# Altium PCB D车.PcbDoc
Units mil, origin at the board's own origin, x right, y up, seen from the top; angles counter-clockwise.
Board outline 3937 x 2188.53 mil, 4 copper layers (Top Layer, 02 GND, 03 VCC, Bottom Layer), stack 23.756 mil thick; 72 components, 83 nets, 412 pads, 128 vias.
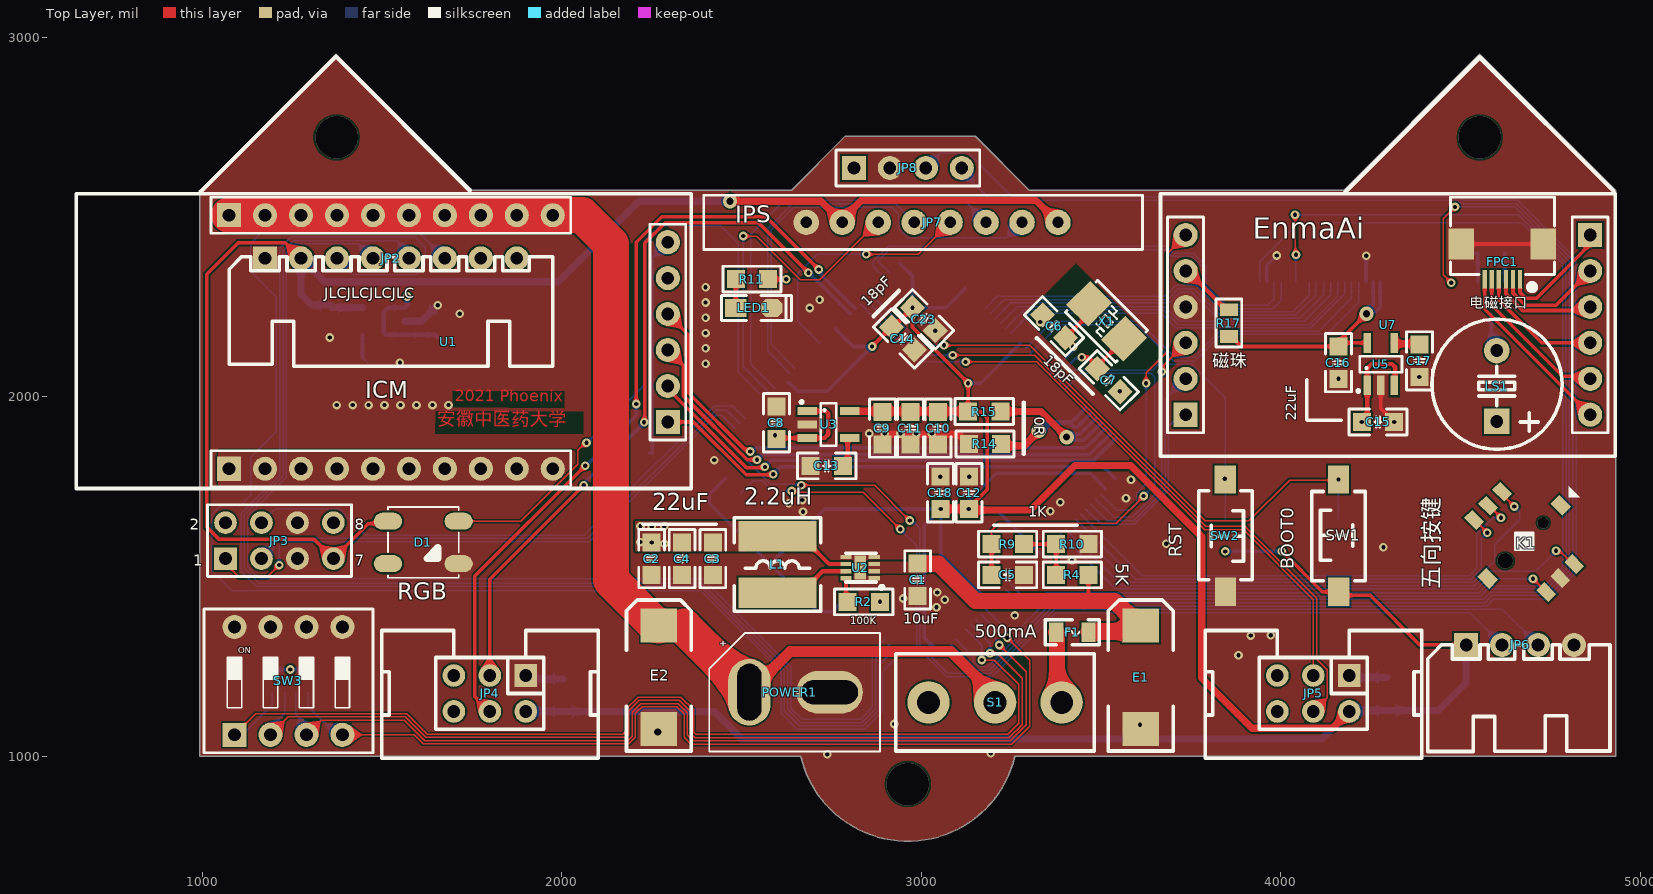
[diagram p0: Top Layer view]
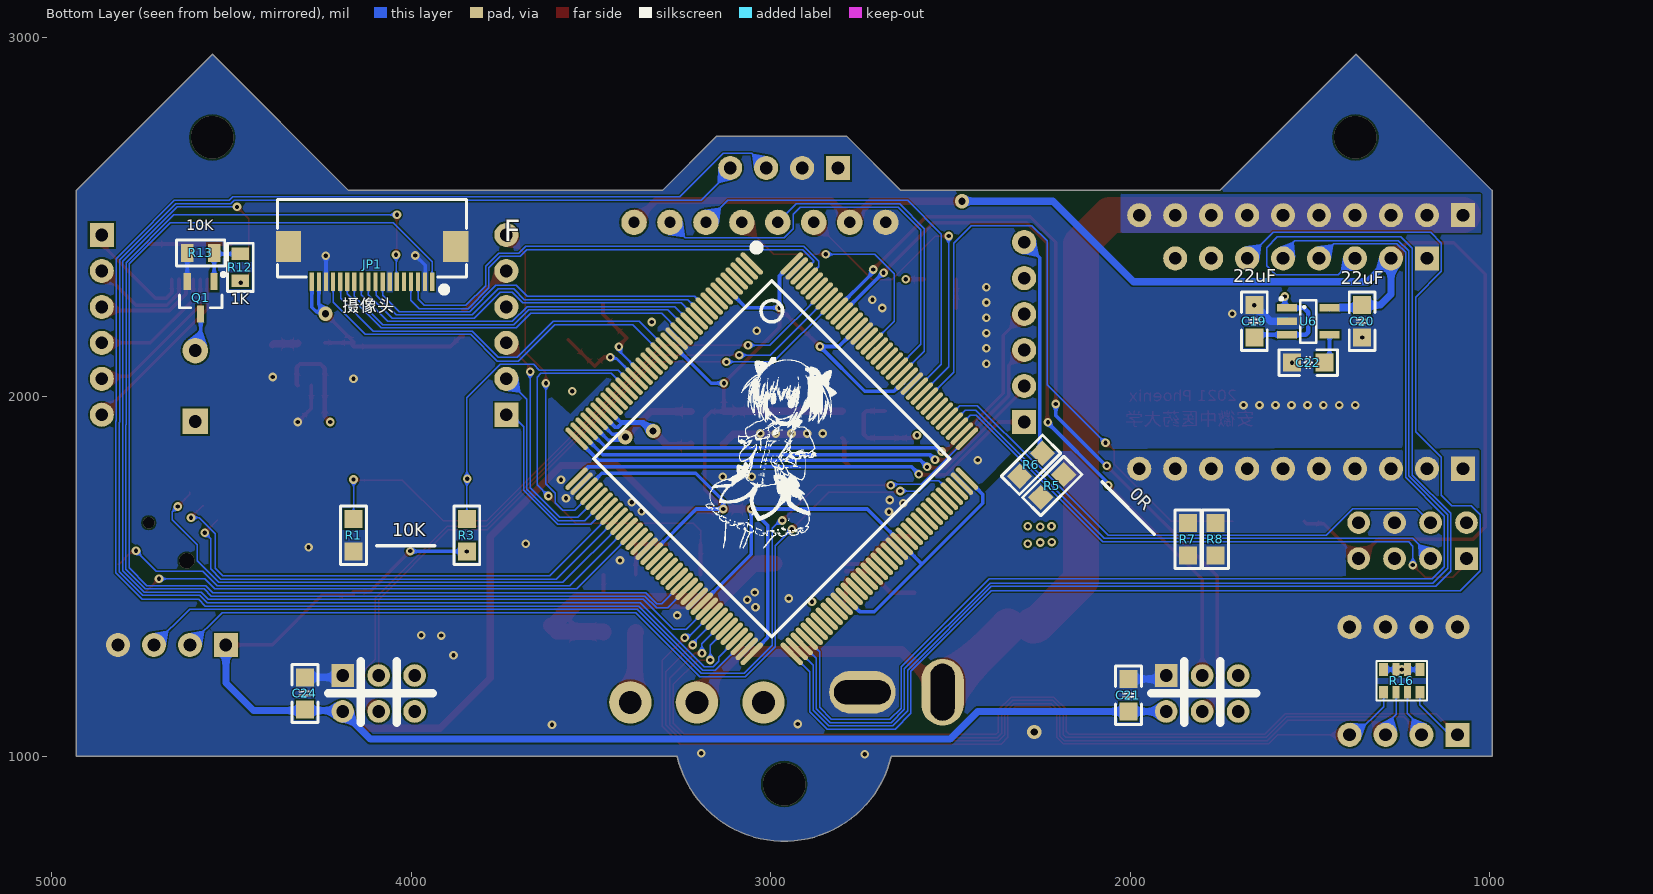
[diagram p1: Bottom Layer view, seen from below]
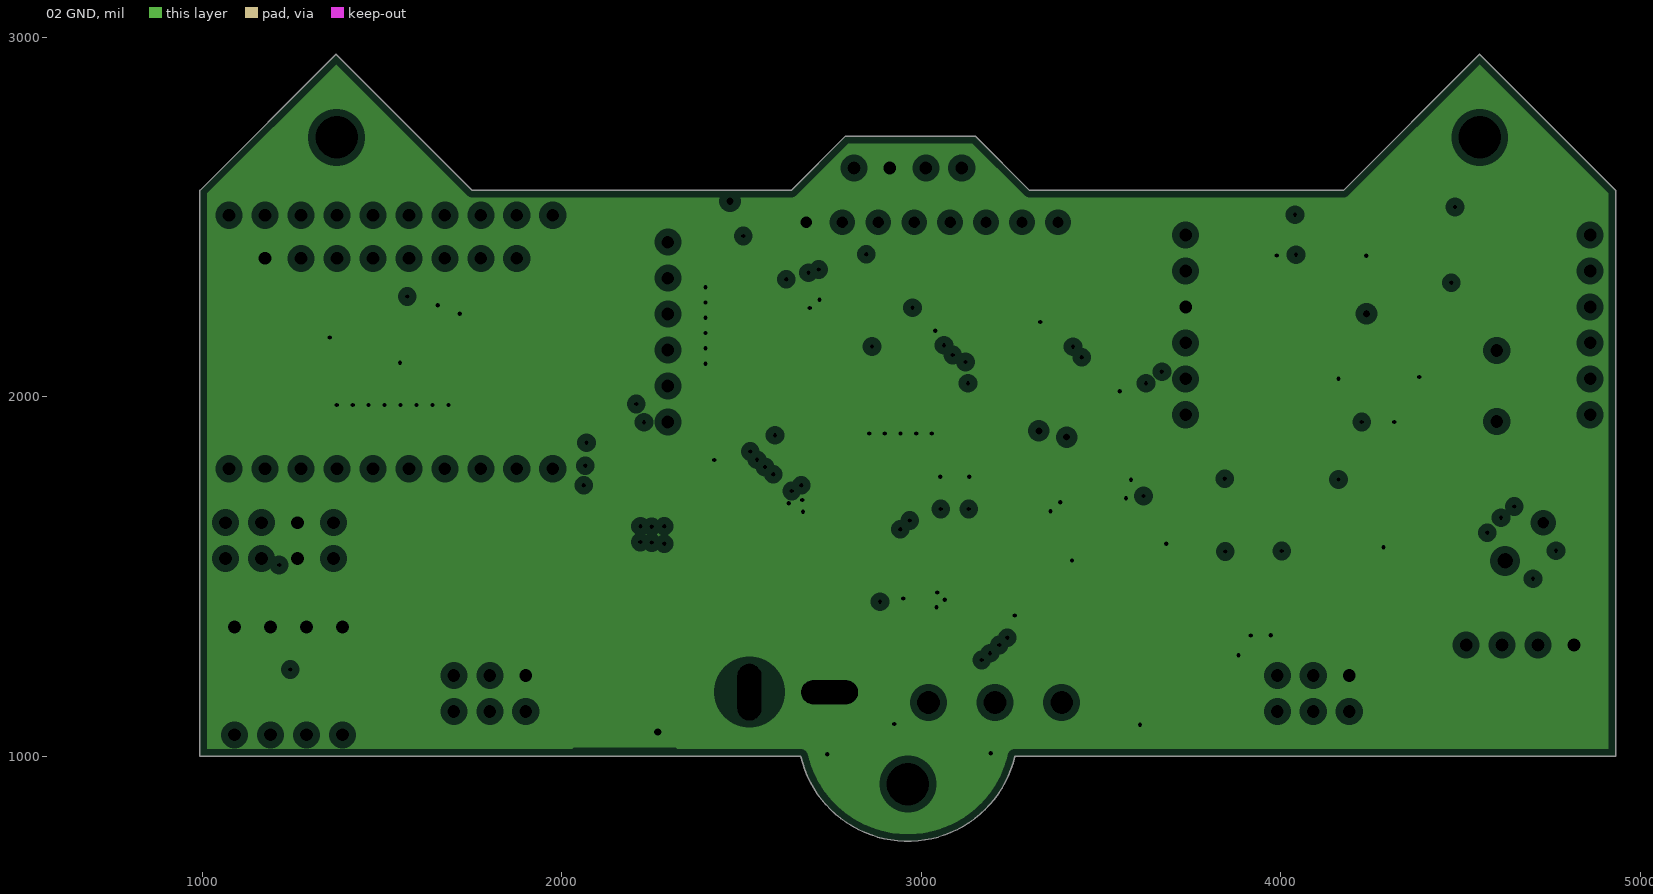
[diagram p2: 02 GND, clearances drawn from the general rule]
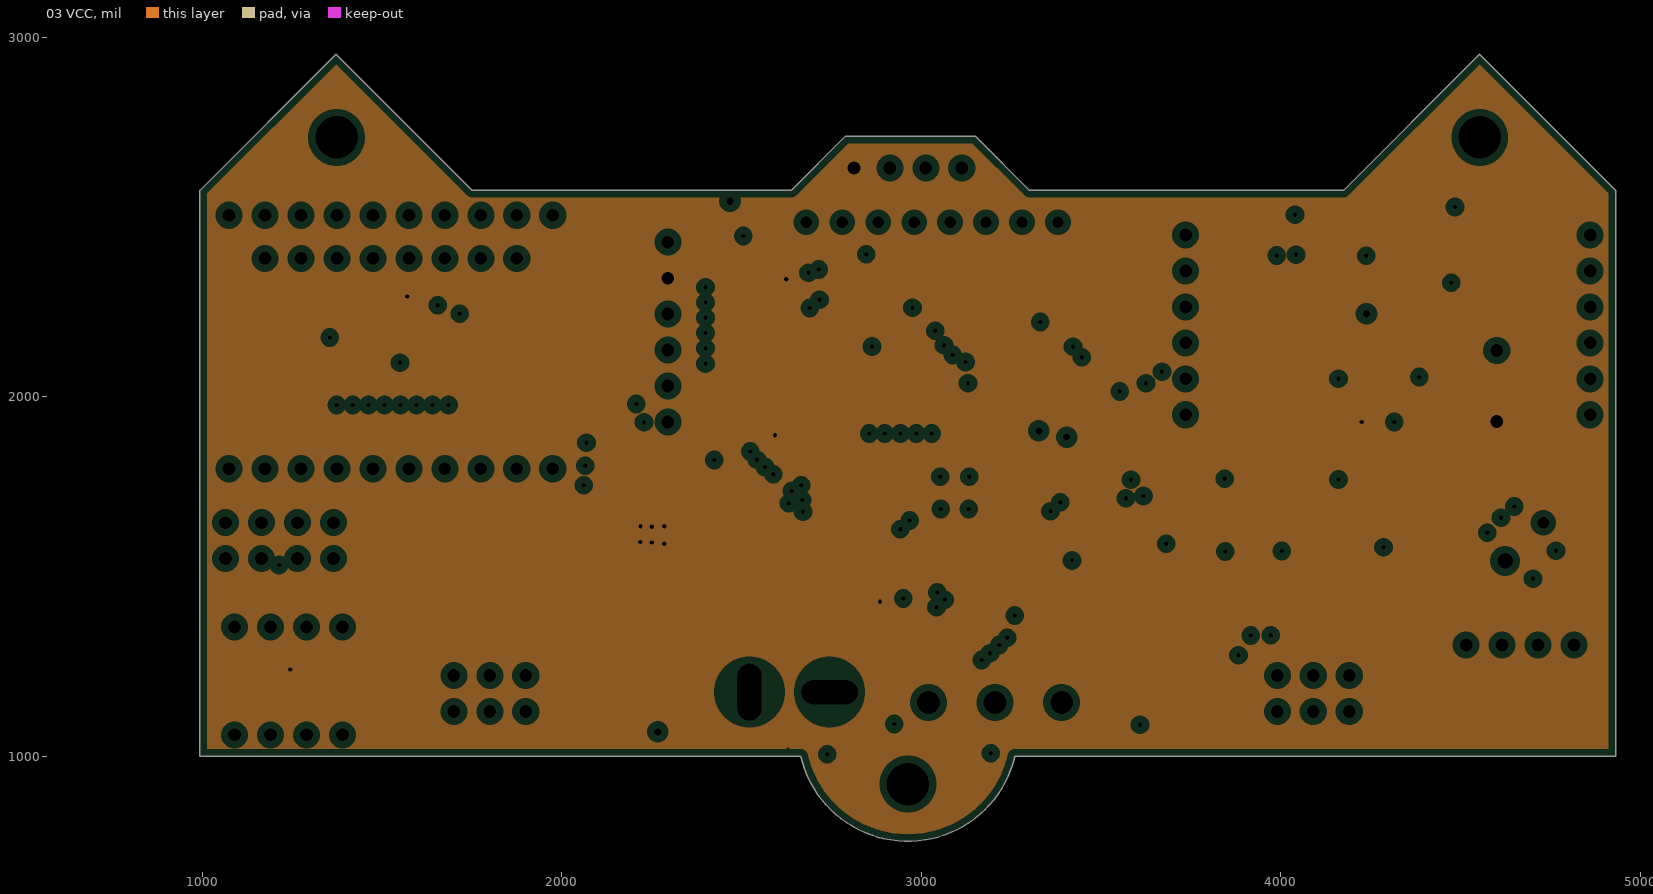
[diagram p3: 03 VCC, clearances drawn from the general rule]

## Layer stack, top to bottom
Top Solder: solder mask 0.4, Solder Resist, Dk 3.5
Top Layer: signal copper 1.4
Dielectric 2: prepreg 2.8, PP-006, Dk 4.1
02 GND: plane copper 1.3779, net GND
Dielectric 1: dielectric 12.6, FR-4, Dk 4.8
03 VCC: plane copper 1.3779, net 5V
Dielectric 3: prepreg 2.8, PP-006, Dk 4.1
Bottom Layer: signal copper 1.4
Bottom Solder: solder mask 0.4, Solder Resist, Dk 3.5

## Board outline
994,1000 994,2574 1372.5,2952.5 1751,2574 2638,2574 2789,2725 3150,2725 3301,2574 4174,2574 4552.5,2952.5 4931,2574 4931,1000 3260,1000 cw(c2962.5,1069.28) 2665,1000

## Design rules (kind name [scope] priority, off if disabled: settings)
Clearance [All] p1: gap=5 ignorepadtopadclearanceinfootprint=FALSE
HoleSize [All] p1: absolutevalues=TRUE maxlimit=1000 minlimit=1 maxpercent=80.000 minpercent=20.000
HoleToHoleClearance [All] p1: gap=0 allowstackedmicrovias=TRUE
MinimumSolderMaskSliver [All] p1: minsoldermaskwidth=0
PlaneClearance [All] p1: clearance=20
PlaneConnect [All] p1: planeconnectstyle=Direct reliefexpansion=20 reliefentries=4 reliefconductorwidth=10 reliefairgap=10
PolygonConnect [All] p1: connectstyle=Direct reliefconductorwidth=10 reliefentries=4 polygonreliefangle="90 Angle" airgapwidth=10
RoutingVias [All] p1: holewidth=12 width=24 viastyle="Through Hole" minholewidth=12 minwidth=24 maxholewidth=200 maxwidth=100
SilkToSilkClearance [All] p1: silktosilkclearance=0
SilkToSolderMaskClearance [IsPad] p1: minsilkscreentomaskgap=0 clearancetoexposedcopper=TRUE
SolderMaskExpansion [All] p1: expansion=4
Width [All] p1: maxlimit=500 minlimit=4 preferedwidth=4
23 further rules are at their usual default settings.

## Components (designator, comment, footprint, x,y, rotation, side; value= is the part's Value field where it differs from the comment)
C1 "10uF" "C 0805_M" 2990,1491 r90 top
C2 "22uF" "C 0805_M" 2250,1550 r90 top
C3 "22uF" "C 0805_M" 2420,1550 r90 top
C4 "22uF" "C 0805_M" 2335,1550 r90 top
C5 "0.1uF" "C 0805_M" 3240,1505 r180 top
C6 "18pF" "C 0805_M" 3369,2196 r315 top
C7 "18pF" "C 0805_M" 3521,2046 r135 top
C8 "22uF" "C 0805_M" 2597,1928 r270 top
C9 "22uF" "C 0805_M" 2892,1913 r90 top
C10 "10uF" "C 0805_M" 3047,1913 r90 top
C11 "10uF" "C 0805_M" 2969.5,1913 r90 top
C12 "10uF" "C 0805_M" 3133,1733 r270 top
C13 "0.1uF" "C 0805_M" 2737,1808 r0 top
C14 "0.1uF" "C 0805_M" 2949,2162 r315 top
C15 "22uF" "C 0805_M" 4270,1930 r180 top
C16 "22uF" "C 0805_M" 4160,2095 r90 top
C17 "0.1uF" "C 0805_M" 4385,2100 r90 top
C18 "0.1uF" "C 0805_M" 3053,1733 r270 top
C19 "22uF" "C 0805_M" 1655,2210 r270 bottom
C20 "22uF" "C 0805_M" 1355,2210 r90 bottom
C21 "0.1uF" "C 0805_M" 2005,1170 r270 bottom
C22 "0.1uF" "C 0805_M" 1505,2095 r180 bottom
C23 "0.1uF" "C 0805_M" 3007.18,2215.82 r135 top
C24 "0.1uF" "C 0805_M" 4295,1175 r270 bottom
D1 "P923D" RGB_LED_5050 1615,1595 r90 top
E1 "220uF" "CD D(7343)" 3610,1220 r270 top
E2 "220uF" "CD D(7343)" 2270,1220 r270 top
F "MM32F3277" "LQFP144 20X20_M" 2997,1828 r315 bottom
F1 "500mA" "FU 0805" 3420,1345 r0 top
FPC1 "FPC_6PIN" "FPC0.5 2H-WS-6P" 4615.83,2425 r180 top
JP1 "18P_FPC" "FPC0.5 2H-WS-18P" 4108.58,2418.31 r0 bottom
JP2 "HDR-1X8" XH2.54-WI-8P 1525,2385 r0 top
JP3 "Header 4X2" HDR2.54-LI-2x4P 1215,1600 r0 top
JP4 "右编码器" 2*3牛插座 1795.5,1165 r270 top
JP5 "左编码器" 2*3牛插座 4085.5,1165 r270 top
JP6 "HDR-1X4" XH2.54-WI-4P 4665,1310 r0 top
JP7 "HDR-1X8" IPS 2780,2480 r0 top
JP8 "HDR-1X4" HDR2.54-LI-4P 2962.5,2636.37 r0 top
K1 "TSW_5" TSW-10 4676.39,1596.39 r0 top
L1 "2.2uH" CD52 2600,1533.74 r90 top
LED1 "蓝色" "LED 0805B" 2534,2247 r0 top
LS1 "DC5V" "BEEP 5x9x5.5" 4600,2030 r0 top
POWER1 "" T槽 2745,1193.5 r0 top
Q1 "SS8050" SOT23-3N 4585,2275 r0 bottom
R1 "10K" "R 0805_M" 4160,1615 r270 bottom
R2 "Res2" "R 0805_M" 2840,1430 r180 top
R3 "10K" "R 0805_M" 3845,1615 r90 bottom
R4 "Res2" "R 0805_M" 3420,1505 r0 top
R5 "0R" "R 0805_M" 2217,1752 r315 bottom
R6 "0R" "R 0805_M" 2276,1811 r315 bottom
R7 "0R" "R 0805_M" 1840,1604 r270 bottom
R8 "0R" "R 0805_M" 1763.09,1604 r270 bottom
R9 "Res2" "R 0805_M" 3240,1590 r0 top
R10 "Res2" "R 0805_M" 3420,1590 r180 top
R11 "Res2" "R 0805_M" 2529,2327 r0 top
R12 "1K" "R 0805_L" 4475,2360 r270 bottom
R13 "10K" "R 0805_L" 4585,2400 r180 bottom
R14 "0" "R 0805_M" 3177,1869 r180 top
R15 "0" "R 0805_M" 3175,1959 r180 top
R16 "1K" RCA-8P4R-0603 1245,1210 r180 bottom
R17 "0" "R 0805_L" 3855,2205 r90 top
S1 "SS-12F23" SS-12D10 3205,1150 r180 top
SW1 "3x6x5" "TSW SMD-3*6*2.5" 4160,1615 r90 top
SW2 "3x6x5" "TSW SMD-3*6*2.5" 3845.79,1612.69 r270 top
SW3 "SW-4P" "CSW DIP-4P" 1240,1210 r0 top
U1 "驱动模块" 电机驱动 1665,2160 r0 top
U2 "TPS62163DSGR" TPS62163 2830,1530 r180 top value=N/A
U3 "MIC5219" SOT23-5M 2742,1923 r270 top
U5 "MIC5219" SOT23-5M 4277.6,2090.94 r0 top
U6 "MIC5219" SOT23-5M 1505,2210 r270 bottom
U7 "OPA4377模块" OPA4377模块 4345,2175 r0 top
X1 "8MHz" "OSC 5032-2P" 3515,2210 r315 top

## Footprints (in the part's own frame and the unit in brackets; to place one, negate y for a bottom-side part, rotate by r counter-clockwise, add the part's x,y. Pads: shape width x height; smd on the part's side, far side on the other; paste and mask are expansions set on the pad)
2*3牛插座 [mm]
  rect 1.6x1.6 hole 0.9: 1(-1.524,2.654)
  round 1.6 hole 0.9: 2(-1.524,0.114) 3(-1.524,-2.426) 4(1.016,-2.426) 5(1.016,0.114) 6(1.016,2.654)
  silkscreen extent -4.7,-7.51 4.32,7.76, body extent -4.6,-7.51 4.25,7.73, height 9.17
"BEEP 5x9x5.5" [mm] "5*9*5.5mm(脚距,直径,高度)        淘宝ID:黄晶宝石"
  rect 1.8x1.8 hole 0.9: 1(0,-2.5)
  round 1.8 hole 0.9: 2(0,2.5)
  silkscreen extent -4.58,-4.47 4.62,4.72, body extent -4.5,-4.5 4.5,4.5, height 5.45
"C 0805_M" [mil] "无极性贴片电容                                         淘宝ID:黄晶宝石"
  rect 50x50 smd: 1(-45,0) 2(45,0)
  silkscreen extent -81,-36 81,36, body extent -39,-24 39,24, height 20
CD52 [mm] "5.8*5.2*3mm（长宽高）        淘宝ID:黄晶宝石"
  rect 2.15x5.5 smd: 1(-2,0) 2(2,0)
  silkscreen extent -3.3,-3.05 3.3,3.05, body extent -2.87,-2.5 2.87,2.5, height 3.2
"CD D(7343)" [mm] "长7.3mm，宽4.3mm，厚2.8mm      淘宝ID:黄晶宝石"
  rect 2.4x2.6 smd: 1(-3.65,0) 2(3.65,0)
  silkscreen extent -5.46,-2.29 5.21,2.29, body extent -3.65,-2.15 3.65,2.15, height 2.8
"CSW DIP-4P" [mm] "11.7*9.9*7mm"
  rect 1.7x1.7 hole 0.9: 1(-3.81,-3.81)
  round 1.7 hole 0.9: 2(-1.27,-3.81) 3(1.27,-3.81) 4(3.81,-3.81) 5(3.81,3.81) 6(1.27,3.81) 7(-1.27,3.81) 8(-3.81,3.81)
  silkscreen extent -5.97,-5.08 5.97,5.08, body extent -5.86,-4.95 5.86,4.95, height 6.65
"FPC0.5 2H-WS-6P" [mm] "长：7.2mm，宽：5.2mm，高：2mm 淘宝ID:黄晶宝石   店铺网址:https://shop463601444.taobao.com"
  rect 1.8x2.2 smd: 0(-2.9,0) 0(2.9,0)
  rect 0.3x1.3 smd: 1(-1.25,2.497) 2(-0.75,2.497) 3(-0.25,2.497) 4(0.25,2.497) 5(0.75,2.497) 6(1.25,2.497)
  silkscreen extent -3.67,-3.3 3.67,3.23, body extent -3.6,-3.15 3.6,2.85, height 2
"FPC0.5 2H-WS-18P" [mm] "长：13.2mm，宽：5.2mm，高：2mm  淘宝ID:黄晶宝石   店铺网址:https://shop463601444.taobao.com"
  rect 1.8x2.2 smd: 0(-5.9,0) 0(5.9,0)
  rect 0.3x1.3 smd: 1(-4.25,2.497) 2(-3.75,2.497) 3(-3.25,2.497) 4(-2.75,2.497) 5(-2.25,2.497) 6(-1.75,2.497) 7(-1.25,2.497) 8(-0.75,2.497) 9(-0.25,2.497) 10(0.25,2.497) 11(0.75,2.497) 12(1.25,2.497) 13(1.75,2.497) 14(2.25,2.497) 15(2.75,2.497) 16(3.25,2.497) 17(3.75,2.497) 18(4.25,2.497)
  silkscreen extent -6.68,-3.3 6.68,3.23, body extent -6.6,-3.15 6.6,2.85, height 2
"FU 0805" [mil] "贴片保险丝"
  rect 40x55 smd: 1(-45,0) 2(45,0)
  silkscreen extent -75,-35 75,35, body extent -39,-24 39,24, height 20
HDR2.54-LI-2x4P [mm] "双排排针，4x2脚 淘宝ID:黄晶宝石   店铺网址:https://shop463601444.taobao.com"
  rect 1.6x1.6 hole 0.9: 1(-3.81,-1.27)
  round 1.6 hole 0.9: 2(-3.81,1.27) 3(-1.27,-1.27) 4(-1.27,1.27) 5(1.27,-1.27) 6(1.27,1.27) 7(3.81,-1.27) 8(3.81,1.27)
  silkscreen extent -5.08,-2.54 5.08,2.54, body extent -5.08,-2.54 5.08,2.54, height 8.5
HDR2.54-LI-4P [mm] "排针，4脚"
  rect 1.7x1.7 hole 0.9: 1(-3.81,0)
  round 1.7 hole 0.9: 2(-1.27,0) 3(1.27,0) 4(3.81,0)
  silkscreen extent -5.08,-1.27 5.08,1.27, body extent -5.08,-1.27 5.08,1.27, height 8.5
IPS [mm]
  round 1.8 hole 0.8: 1(-2.54,0.127) 2(0,0.127) 3(2.54,0.127) 4(5.08,0.127) 5(7.62,0.127) 6(10.16,0.127) 7(12.7,0.127) 8(15.24,0.127)
  silkscreen extent -9.78,-1.78 21.21,2.05
"LED 0805B" [mil] "蓝色0805LED                                    淘宝ID:黄晶宝石"
  rect 60x50 smd: 1(-50,0)
  oct 60x50 smd: 2(50,0)
  silkscreen extent -90,-35 105,35, body extent -39,-25 39,25, height 32
"LQFP144 20X20_M" [mm] "144脚，体宽20x20mm，脚距0.5mm"
  oval 0.35x2.1 smd: 1(-8.75,-10.747) 2(-8.25,-10.747) 3(-7.75,-10.747) 4(-7.25,-10.747) 5(-6.75,-10.747) 6(-6.25,-10.747) 7(-5.75,-10.747) 8(-5.25,-10.747) 9(-4.75,-10.747) 10(-4.25,-10.747) 11(-3.75,-10.747) 12(-3.25,-10.747) 13(-2.75,-10.747) 14(-2.25,-10.747) 15(-1.75,-10.747) 16(-1.25,-10.747) 17(-0.75,-10.747) 18(-0.25,-10.747) 19(0.25,-10.747) 20(0.75,-10.747) 21(1.25,-10.747) 22(1.75,-10.747) 23(2.25,-10.747) 24(2.75,-10.747) 25(3.25,-10.747) 26(3.75,-10.747) 27(4.25,-10.747) 28(4.75,-10.747) 29(5.25,-10.747) 30(5.75,-10.747) 31(6.25,-10.747) 32(6.75,-10.747) 33(7.25,-10.747) 34(7.75,-10.747) 35(8.25,-10.747) 36(8.75,-10.747) 73(8.75,10.747) 74(8.25,10.747) 75(7.75,10.747) 76(7.25,10.747) 77(6.75,10.747) 78(6.25,10.747) 79(5.75,10.747) 80(5.25,10.747) 81(4.75,10.747) 82(4.25,10.747) 83(3.75,10.747) 84(3.25,10.747) 85(2.75,10.747) 86(2.25,10.747) 87(1.75,10.747) 88(1.25,10.747) 89(0.75,10.747) 90(0.25,10.747) 91(-0.25,10.747) 92(-0.75,10.747) 93(-1.25,10.747) 94(-1.75,10.747) 95(-2.25,10.747) 96(-2.75,10.747) 97(-3.25,10.747) 98(-3.75,10.747) 99(-4.25,10.747) 100(-4.75,10.747) 101(-5.25,10.747) 102(-5.75,10.747) 103(-6.25,10.747) 104(-6.75,10.747) 105(-7.25,10.747) 106(-7.75,10.747) 107(-8.25,10.747) 108(-8.75,10.747)
  oval 2.1x0.35 smd: 37(10.747,-8.75) 38(10.747,-8.25) 39(10.747,-7.75) 40(10.747,-7.25) 41(10.747,-6.75) 42(10.747,-6.25) 43(10.747,-5.75) 44(10.747,-5.25) 45(10.747,-4.75) 46(10.747,-4.25) 47(10.747,-3.75) 48(10.747,-3.25) 49(10.747,-2.75) 50(10.747,-2.25) 51(10.747,-1.75) 52(10.747,-1.25) 53(10.747,-0.75) 54(10.747,-0.25) 55(10.747,0.25) 56(10.747,0.75) 57(10.747,1.25) 58(10.747,1.75) 59(10.747,2.25) 60(10.747,2.75) 61(10.747,3.25) 62(10.747,3.75) 63(10.747,4.25) 64(10.747,4.75) 65(10.747,5.25) 66(10.747,5.75) 67(10.747,6.25) 68(10.747,6.75) 69(10.747,7.25) 70(10.747,7.75) 71(10.747,8.25) 72(10.747,8.75) 109(-10.747,8.75) 110(-10.747,8.25) 111(-10.747,7.75) 112(-10.747,7.25) 113(-10.747,6.75) 114(-10.747,6.25) 115(-10.747,5.75) 116(-10.747,5.25) 117(-10.747,4.75) 118(-10.747,4.25) 119(-10.747,3.75) 120(-10.747,3.25) 121(-10.747,2.75) 122(-10.747,2.25) 123(-10.747,1.75) 124(-10.747,1.25) 125(-10.747,0.75) 126(-10.747,0.25) 127(-10.747,-0.25) 128(-10.747,-0.75) 129(-10.747,-1.25) 130(-10.747,-1.75) 131(-10.747,-2.25) 132(-10.747,-2.75) 133(-10.747,-3.25) 134(-10.747,-3.75) 135(-10.747,-4.25) 136(-10.747,-4.75) 137(-10.747,-5.25) 138(-10.747,-5.75) 139(-10.747,-6.25) 140(-10.747,-6.75) 141(-10.747,-7.25) 142(-10.747,-7.75) 143(-10.747,-8.25) 144(-10.747,-8.75)
  silkscreen extent -10.03,-11.55 8.89,8.89, body extent -11,-11 11,11, height 1.45
OPA4377模块 [mm]
  round 1.7 hole 0.9: 1(-15.494,6.985) 2(-15.494,4.445) 3(-15.494,1.905) 4(-15.494,-0.635) 5(-15.494,-3.175) 7(13.081,-5.715) 8(13.081,-3.175) 9(13.081,-0.635) 10(13.081,1.905) 11(13.081,4.445)
  rect 1.7x1.7 hole 0.9: 6(-15.494,-5.715) 12(13.081,6.985)
  silkscreen extent -17.27,-8.64 14.86,9.91, body extent -16.76,-6.98 14.35,8.26, height 8.5
"OSC 5032-2P" [mm] "5mm*3.2mm*0.8mm(长*宽*高)                  淘宝ID:黄晶宝石"
  rect 2.2x2.4 smd: 1(-1.75,0) 2(1.75,0)
  silkscreen extent -2.5,-1.6 2.5,1.6, body extent -2.5,-1.6 2.5,1.6, height 0.86
"R 0805_L" [mil] "1/8W贴片电阻"
  rect 35x50 smd: 1(-37.4,0) 2(37.4,0)
  silkscreen extent -67,-36 67,36, body extent -39,-25 39,25, height 20
"R 0805_M" [mil] "1/8W贴片电阻"
  rect 50x50 smd: 1(-45,0) 2(45,0)
  silkscreen extent -81,-36 81,36, body extent -39,-25 39,25, height 20
RCA-8P4R-0603 [mm] "3.2mm*1.6mm*0.6mm(长*宽*厚)"
  rect 0.65x0.9 smd: 1(-1.28,-0.8) 4(1.28,-0.8) 5(1.28,0.8) 8(-1.28,0.8)
  rect 0.5x0.9 smd: 2(-0.4,-0.8) 3(0.4,-0.8) 6(0.4,0.8) 7(-0.4,0.8)
  silkscreen extent -1.78,-1.4 1.78,1.4, body extent -1.6,-0.8 1.6,0.8, height 0.6
RGB_LED_5050 [mm]
  oval 1.2x2 smd: 1(-1.5,-2.5) 2(1.5,-2.5) 3(1.5,2.5) 4(-1.5,2.5)
  silkscreen extent -2.5,-2.5 2.5,2.5, body extent -2.5,-2.7 2.5,2.7, height 1.55
SOT23-3N [mm] "3x1.3x1mm(长宽高)    封装库来自淘宝卖家 ID：黄晶宝石"
  rect 0.5x1.2 smd: 1(-0.95,-1.143) 2(0.95,-1.143) 3(0,1.143)
  silkscreen extent -1.72,-1.78 1.5,0.7, body extent -1.5,-1.2 1.5,1.2, height 1.05
SOT23-5M [mm] "3x1.6x1.1mm(长宽高) 封装库来自淘宝卖家 ID：黄晶宝石"
  rect 0.55x1.4 smd: 1(-0.95,-1.5) 2(0,-1.5) 3(0.95,-1.5) 4(0.95,1.5) 5(-0.95,1.5)
  silkscreen extent -1.66,-1.98 1.5,0.56, body extent -1.5,-1.4 1.5,1.4, height 1.15
SS-12D10 [mm] "脚距3mm      淘宝ID:黄晶宝石"
  round 3 hole 1.6: 1(-4.7,0) 2(0,0) 3(4.7,0)
  silkscreen extent -7,-3.43 7,3.43, body extent -7,-3.1 7,3.1, height 9.65
TPS62163 [mm]
  rect 0.8x0.3 smd: 1(-1.002,0.877) 2(-1.002,0.377) 3(-1.002,-0.123) 4(-1.002,-0.623) 5(1.002,-0.623) 6(1.002,-0.123) 7(1.002,0.377) 8(1.002,0.877)
  rect 0.8x1.7 smd paste-0.837: 9(0,0.127)
  silkscreen extent -1.65,-0.89 1.02,1.65, body extent -1.05,-0.87 1.05,1.13, height 0.8
"TSW SMD-3*6*2.5" [mm] "3*6*2.5mm"
  rect 2x1.5 smd: 1(-3.996,-0.02) 2(3.937,0)
  silkscreen extent -3.21,-1.9 3.09,1.9, body extent -4,-1.88 4,1.62, height 2.59
TSW-10 [mm]
  rect 1.2x0.9 smd rot 135: 0(-2.575,-2.575) 0(2.587,2.587)
  rect 1.2x0.8 smd rot 135: 1(-1.56,3.54) 2(-2.55,2.55) 3(-3.54,1.56) 4(1.56,-3.54) 5(2.55,-2.55) 6(3.54,-1.56)
  silkscreen extent -0.64,-0.57 3.92,3.92, body extent -5.6,-5.61 5.43,5.42, height 4.5
T槽 [mm]
  oval 3x4.7 hole 1.7 slot 4 at 90 deg: 1(-5.664,-0.381)
  oval 4.7x3 hole 1.7 slot 4 at 0 deg: 2(0,-0.381)
  silkscreen extent -8.51,-4.57 3.56,3.81
XH2.54-WI-4P [mm] "接插件，4P"
  rect 1.7x1.7 hole 0.9: 1(-3.81,0)
  round 1.7 hole 0.9: 2(-1.27,0) 3(1.27,0) 4(3.81,0)
  silkscreen extent -6.53,-7.53 6.35,0, body extent -6.31,-7.35 6.31,0.35, height 5.73
XH2.54-WI-8P [mm] "接插件，8P"
  rect 1.7x1.7 hole 0.9: 1(-8.89,0)
  round 1.7 hole 0.9: 2(-6.35,0) 3(-3.81,0) 4(-1.27,0) 5(1.27,0) 6(3.81,0) 7(6.35,0) 8(8.89,0)
  silkscreen extent -11.43,-7.62 11.43,0.13, body extent -11.39,-7.35 11.39,0.35, height 5.75
电机驱动 [mm]
  rect 1.7x1.7 hole 0.9: 1(16.002,-5.842) 7(-14.986,8.763) 8(-14.986,-9.144)
  round 1.7 hole 0.9: 2(16.002,-3.302) 3(16.002,-0.762) 4(16.002,1.778) 5(16.002,4.318) 6(16.002,6.858) 7(-12.446,8.763) 7(-9.906,8.763) 7(-7.366,8.763) 7(-4.826,8.763) 7(-2.286,8.763) 7(0.254,8.763) 7(2.794,8.763) 7(5.334,8.763) 7(7.874,8.763) 8(-12.446,-9.144) 8(-9.906,-9.144) 8(-7.366,-9.144) 8(-4.826,-9.144) 8(-2.286,-9.144) 8(0.254,-9.144) 8(2.794,-9.144) 8(5.334,-9.144) 8(7.874,-9.144)
  silkscreen extent -25.78,-10.54 17.65,10.29, body extent -16.26,-10.41 17.27,10.03, height 8.5
